# Altium PCB 2-quilter-output.pcbdoc (part 9 of 17) (continued)
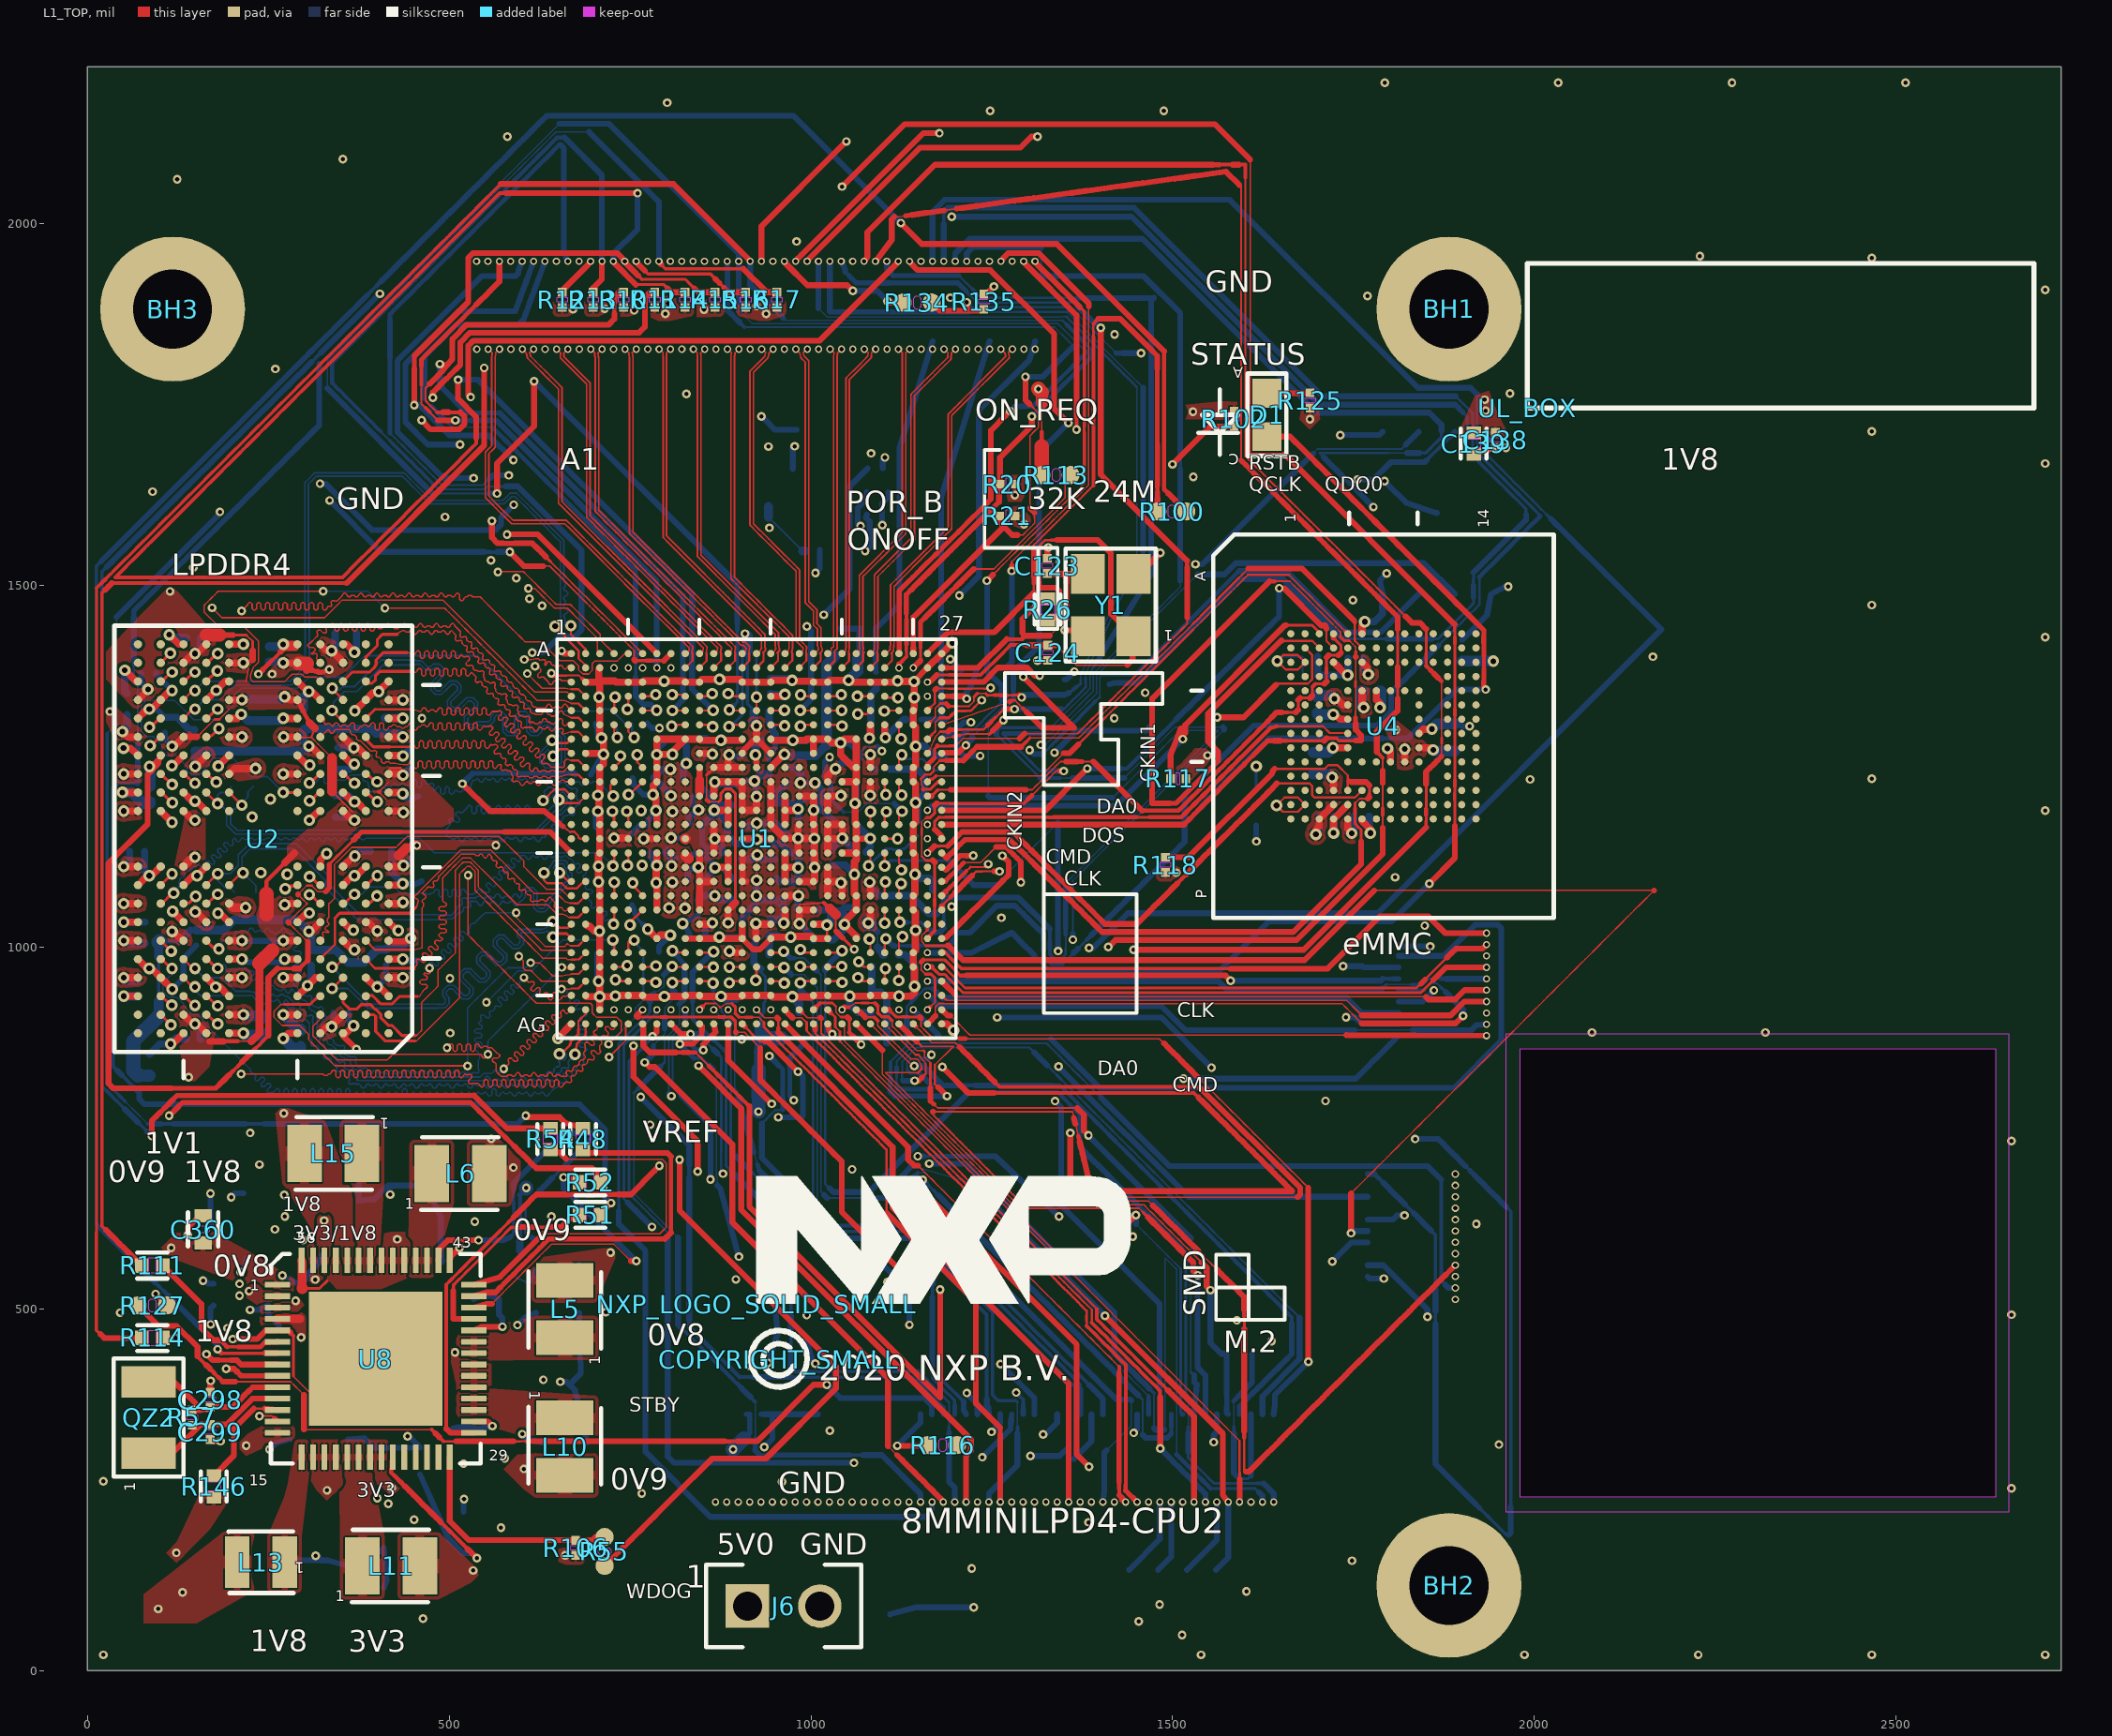
[diagram p0: L1_TOP view]
## Nets (pads, with @x,y where several pads share a name; then routed paths per layer and width w, separated by ;. In a path a pad name is that pad's centre, name@x,y a point inside that pad or via, vN(x,y) a via of type N, cw(c..) or ccw(c..) an arc to the next point about the centre after c; other vN are vias at no path point) (continued)
  L8_BOT w10: v2@50.43,1034.76 C266.2@80,1034.76 ; v2(51.89,1382.9) 51.89,1353.66 C106.2@54.89,1350.66 ; C374.2@79.47,1132.26 79.47,1105.1 v2(85.85,1098.72) ; C105.2@86.19,852.36 100.13,866.3 v4(115.25,866.3) ; C375.2@107.2,1317.8 123.99,1317.8 141.2,1300.59 C108.2@148.58,1300.59 ; v4(304.47,946.93) 309.5,951.96 C371.2@309.5,975.12 ; C111.2@343,1209.41 360.98,1209.41 369.41,1200.98 v4(369.5,1200.98) ; C118.2@346.54,1245.92 362.09,1245.92 v2(369.24,1253.07) ; v2(369.25,1407.58) 371.99,1410.32 C112.2@371.99,1434.05 ; C117.2@420.65,1132.9 420.65,1103.15 v4(436.06,1087.74) ; v2(436.35,1264.32) 447.69,1275.66 ; v2(787.09,1266.17) 787.09,1273.61 C94.2@798.38,1284.9 ; C8.2@845.89,1288.41 855.38,1288.41 857.75,1286.04 v2(875.81,1286.04) ; C74.2@852.92,1171.19 866.44,1184.71 v2(866.44,1189.27) ; v2(876.04,931.99) 876.29,931.99 880.52,927.76 C21.2@896.42,927.76 ; C20.2@890.07,1196.26 873.43,1196.26 v2(866.44,1189.27) ; C99.2@942.3,989.41 942.3,1016.01 C36.2@943.44,1017.15 953.2,1017.15 956.47,1013.88 v2(972.2,1013.88) ; C100.2@942.4,1325.9 942.4,1310.62 946.21,1306.81 946.21,1304.24 946.76,1303.69 946.76,1298.86 950.8,1294.82 C1.2@950.8,1286.45 974.39,1286.45 v2(974.96,1285.88) 975.1,1285.74 C244.2@993.88,1285.74 ; C268.2@944.2,1371.59 971.27,1371.59 v2(974.11,1368.75) ; C33.2@953.1,1094.7 957.02,1090.78 C15.2@981.85,1090.78 982.4,1091.33 v2(982.4,1109.84) 982.69,1110.13 C255.2@982.69,1130.38 971.19,1130.38 958.92,1142.65 C253.2@950.36,1142.65 943.92,1149.09 v2(925.04,1149.09) 910.01,1149.09 C35.2@903.85,1142.93 896.36,1142.93 884.24,1155.05 C16.2@884.24,1168.18 884.24,1171.47 v2(866.44,1189.27) ; C256.2@967.36,1227.33 952.67,1212.64 C247.2@952.67,1199.1 974.23,1199.1 v2(982.18,1191.15) ; C254.2@982.67,1170.05 982.67,1190.66 v2(982.18,1191.15) ; C235.2@993.63,1209.18 982.18,1197.73 v2(982.18,1191.15) ; C248.2@1002.74,1051.61 1025.76,1051.61 C23.2@1027.15,1050.22 ; v2(1022.22,1030.58) 1027.15,1035.51 C23.2@1027.15,1050.22 ; C6.2@1024.8,1010.06 1031.57,1010.06 1046.43,1024.92 v2(1046.43,1031.56) 1046.43,1045.73 1041.94,1050.22 ; C101.2@1028.89,1113.39 1047.53,1113.39 v2(1060.27,1100.65) ; v2(1041.12,1282.52) 1053.73,1282.52 C30.2@1060.23,1276.02 ; v2(1053.8,932.27) 1053.8,920.99 1065.05,909.74 C2.2@1083.09,909.74 ; C3.2@1060.77,1054.73 1046.79,1054.73 1046.62,1054.9 1041.94,1050.22 ; v2(1061.04,1198.96) 1062.68,1200.6 C241.2@1062.68,1228.77 ; C234.1@1062.19,1173.08 1062.19,1170.19 v2(1082.08,1150.3) 1082.08,1137.48 C104.2@1076.05,1131.45 ; C391.2@1109.45,1246.02 1146.86,1246.02 1156.37,1236.51 C9.2@1156.37,1229.43 1156.37,1211.47 v2(1144.67,1199.77) 1147.38,1197.06 C245.2@1147.38,1174.92 ; C392.2@1121.2,989.7 1130.09,989.7 1143.26,976.53 v2(1143.26,946.08) ; v2(1143.89,1100.69) 1145.51,1100.69 1151.02,1095.18 1163.59,1095.18 1168.28,1090.49 C17.2@1168.28,1079.31 ; v2(1144.93,1277.76) 1157.8,1277.76 1170.15,1265.41 R103.2@1184.52,1265.41 ; C136.2@1700.4,1401.66 C137.2@1700.4,1375.66 1700.73,1375.99 v2(1741.72,1375.99) 1742.19,1376.46 C131.2@1742.19,1399.15 ; v2(1722.28,1157.86) 1723.1,1158.68 1723.1,1180.59 C133.2@1723.51,1181 ; v2(1765.41,1449.79) 1778.79,1449.79 1790,1461 U5.4@1790,1487.8 ; C132.2@1771.51,1181 1771.51,1159.34 v2(1773.14,1157.71) ; C23.2@1027.15,1050.22 1041.94,1050.22
  L8_BOT w12: v2(50.41,932.38) C381.2@68.89,932.39 ; v4(113.36,1431.9) 117.99,1427.27 C114.2@136.51,1427.27 ; v4(115.25,866.3) 122.58,873.63 C380.2@135.68,873.63 ; v2(212.92,1321.9) 221.68,1313.14 C110.2@242.89,1313.14 267.79,1313.14 v2(270.89,1316.24) ; C378.2@251.62,1415.48 267.77,1415.48 v2(270.89,1418.6) ; C109.2@298.93,1329.75 298.93,1346.14 v4(306.19,1353.4) ; C384.2@411.64,1316.74 435.74,1316.74 v2(436.24,1316.24) ; v4(436.06,1212.06) v4@439.71,1208.41 ; v2(974.35,931.51) 983.76,922.1 C400.2@983.76,911.1
  L8_BOT w15: v2(48.68,1213.88) 61.91,1213.88 77.39,1198.4 86.89,1198.4 R4.1@86.89,1201.39 ; v2(1052.24,1368.92) 1064.76,1381.44 C405.2@1064.76,1399.68 ; C130.2@1694.3,1268.95 1714.55,1268.95 v2(1721.33,1275.73) ; C128.2@1699.59,1324.38 1699.59,1321.39 1721.56,1321.39 v2(1721.96,1321.79) ; C129.2@1784.67,1354.01 1787.66,1354.01 1787.66,1332.34 v2(1786.48,1331.16) ; v2(1858.22,1301.57) 1865.35,1308.7 C127.2@1890,1308.7
  other v1: 22.13,22.13 1539.3,22.13 1986.24,22.13 2226.12,22.13 2465.99,22.13 2705.87,22.13 464,72.16 1747.63,152.2 1383.71,205.2 2659.11,252.28 960.2,261.35 22.13,262.01 1950.81,312.71 994.21,491.61 2659.11,492.15 45.37,494.89 716.61,495.97 1444.89,600.07 1919.65,617.55 237.84,699.6 2659.11,732.03 777.85,754.59 1711.12,787.58 501.42,881.37 2079.2,882.13 2319.08,882.13 1807.38,1096.66 2705.87,1188.73 1993.84,1231.9 2465.99,1232.96 2163.46,1401.52 2705.87,1428.6 2465.99,1472.83 1749.05,1479.69 494.59,1594.61 90.38,1629.55 1528.54,1649.82 2705.87,1668.48 1083.09,1682.6 2465.99,1712.71 828.08,1764.46 1966.13,1765.15 260,1799.16 1419.69,1846.87 1192.73,1897.69 1769.09,1899.95 2705.87,1908.35 2465.99,1952.58 2228.53,1954.99 980.09,1975.33 124.29,2061.11 353.38,2089.1 580.45,2120.03 1247.82,2155.66 1487.7,2155.65 801.65,2167.05 1793.01,2194.87 2032.88,2194.87 2272.76,2194.87 2512.63,2194.87
  other v3: 931.06,233.27 946.8,233.27 962.55,233.27 978.3,233.27 994.05,233.27 1009.8,233.27 1230.27,233.27 1324.76,233.27 1419.24,233.27 1513.73,233.27 1608.22,233.27 1890.63,544.88 1890.63,623.62 1933.49,909.2 1933.49,987.94 538.31,1826.55 585.56,1826.55 632.8,1826.55 680.05,1826.55 727.29,1826.55 774.53,1826.55 821.78,1826.55 869.02,1826.55 916.27,1826.55 963.51,1826.55 1010.75,1826.55 1058,1826.55 1105.24,1826.55 1152.49,1826.55 1215.48,1826.55 1294.22,1826.55 585.31,1947.75 679.8,1947.75 774.28,1947.75 868.77,1947.75 1057.75,1947.75 1152.24,1947.75 1246.72,1947.75
GPIO1_IO01: J5.64 U1.AF14 | length 869.2
  L1_TOP w2.2: 929.59,909 934.3,904.32 935.96,902.66 944.6,902.66 953.24,902.66
  L1_TOP w3.37: v3(924.89,913.68) 929.59,909 ; 954.88,888.52 954.88,894.77 954.88,901.01
  L1_TOP w5.71: 954.88,882.28 954.88,888.52
  L1_TOP w8.05: 953.24,902.66 954.86,901.04 ; 954.88,882.28 1113.12,724.05 1113.12,640.54 1113.12,639.91 1356.26,396.77 1356.26,238.31 v3@1356.26,233.27
  other v3: 1356.25,233.27
GPIO1_IO05: J5.62 U1.AF12 | length 888.9
  L3_INNER1 w2.2: 979.21,799.32 984.78,793.75 990.35,788.18
  L3_INNER1 w2.79: 990.35,788.18 990.35,779.17 990.35,770.16 990.35,761.14 990.35,752.13 990.35,743.12 990.35,734.1 990.35,725.09 990.35,716.08 990.35,707.06 996.69,700.72 1003.03,694.38 1009.37,688.04 1015.71,681.7 1022.05,675.36 1028.39,669.02 1034.73,662.68 1041.07,656.34 1047.41,650 1053.75,643.66 1060.09,637.32 1066.43,630.98 1072.77,624.64 1079.11,618.3 1085.45,611.96 1091.79,605.62 1098.13,599.28 1104.47,592.94 1110.81,586.6 1117.15,580.26 1123.49,573.92 1129.83,567.58 1136.17,561.24 1142.51,554.9 1148.85,548.56 1155.19,542.22 1161.53,535.88 1167.87,529.54
  L3_INNER1 w4.54: 1167.87,520.53 1167.87,529.54
  L3_INNER1 w5.13: 973.07,805.46 979.21,799.32
  L3_INNER1 w6.88: 1167.87,520.53 1173.9,514.5 1179.94,508.46 1185.97,502.43 1192.01,496.39 1198.04,490.36 1204.08,484.32 1210.11,478.29 1216.15,472.25 1222.18,466.22 1228.22,460.18 1234.25,454.15 1240.29,448.11 1246.32,442.08 1252.36,436.04 1259.78,436.04 1267.21,436.04
  L3_INNER1 w7.46: 1267.21,436.04 1273.32,429.93 ; 1309.97,393.28 1316.08,387.18 1322.19,381.07 1328.3,374.96 1334.4,368.85 1340.51,362.74 1340.51,353.85
  L3_INNER1 w8.05: v3(885.52,913.68) 885.52,873.7 923.05,836.17 942.36,836.17 948.5,830.03 954.65,823.89 960.79,817.74 966.93,811.6 973.07,805.46 ; 1273.32,429.93 1279.43,423.83 1285.54,417.72 1291.64,411.61 1297.75,405.5 1303.86,399.39 1309.97,393.28 ; v3(1340.5,233.27) 1340.51,238.31 1340.51,247.2 1340.51,256.08 1340.51,264.97 1340.51,273.86 1340.51,282.75 1340.51,291.64 1340.51,300.52 1340.51,309.41 1340.51,318.3 1340.51,327.19 1340.51,336.08 1340.51,344.97 1340.51,353.85
GPIO1_IO06: J5.58 U1.AG11 | length 1014
  L1_TOP w7.46: 851.36,865.62 856.98,871.24 862.6,876.86
  L1_TOP w8.05: v1(851.36,857.76) 851.36,865.61 ; 862.6,876.86 868.22,882.48 U1.AG11@865.83,893.99
  L3_INNER1 w3.96: v1(861.25,678.99) 861.25,684.58 865.61,688.95 869.98,693.31 874.34,697.67 880.14,697.67 886.8,697.67
  L3_INNER1 w7.46: 1141.06,490.67 1147.31,484.43 1153.55,478.18 1159.8,471.94 1166.04,465.69 1172.28,459.45 1178.53,453.21 1184.77,446.96 1191.02,440.72 1197.26,434.47 1203.51,428.23 1209.75,421.98 1216,415.74 1222.24,409.49 1228.49,403.25 1234.73,397 1240.97,390.76 1247.22,384.52 1253.46,378.27 1259.71,372.03 1265.95,365.78 1272.2,359.54 1278.44,353.29 1284.69,347.05 1290.93,340.8
  L3_INNER1 w8.05: 886.8,697.67 893.46,697.67 1100.46,490.67 1141.06,490.67 ; 1290.93,340.8 1290.93,290.37 1309.01,272.29 v3(1309.01,233.27)
  L8_BOT w2.2: 808.95,870.11 812.98,874.15 817.02,878.18
  L8_BOT w2.79: 808.95,870.11 808.95,862.19 808.95,854.26 808.95,846.33 808.95,838.4 808.95,830.48 808.95,822.55 808.95,814.62 808.95,806.69 814.76,800.88 820.57,795.07 ; 817.02,878.18 821.17,878.18 826.28,873.07 831.38,867.97
  L8_BOT w6.88: 831.38,867.97 836.49,862.87 841.59,857.76 v1@846.47,857.76
  L8_BOT w8.05: 820.57,795.07 826.38,789.26 832.19,783.45 838,777.64 843.81,771.83 849.62,766.02 855.43,760.21 861.24,754.4 v1(861.25,678.99) ; v1@846.47,857.76 v1(851.36,857.76)
GPIO1_IO07: J5.56 U1.AF11 | length 890.4
  L3_INNER1 w7.46: v1(1136.13,478.11) 1138.8,478.11 1144.95,471.96 1151.09,465.82 1157.24,459.67 1163.38,453.52 1169.53,447.38 1175.68,441.23 1181.82,435.09 1187.97,428.94 1194.11,422.8 1200.26,416.65 1206.4,410.5 1212.55,404.36 1218.7,398.21 1224.84,392.07 1230.99,385.92 1237.13,379.78 1243.28,373.63 1249.42,367.48 1255.57,361.34 1261.72,355.19 1267.86,349.05 1274.01,342.9 1280.15,336.76 1280.15,328.21 1280.15,319.67 1280.15,311.13 1280.15,302.58 1280.15,294.04 1280.15,285.5
  L3_INNER1 w8.05: 1280.15,285.5 1293.27,272.38 v3(1293.26,233.27)
  L8_BOT w2.2: v3(865.83,913.68) 871.71,907.84 877.58,901.99 ; 883.46,896.14 889.34,890.3 889.42,890.22 889.42,881.61 889.42,873.01 889.42,864.41 889.42,855.81 889.42,847.2 889.42,838.6 889.42,830 889.42,821.39 889.42,812.79 889.42,804.19
  L8_BOT w2.79: 877.58,901.99 883.46,896.14
  L8_BOT w3.37: 889.42,795.59 889.42,804.19
  L8_BOT w3.96: 889.42,795.59 889.42,786.98 889.42,778.38 889.42,769.78 889.42,761.17 889.42,752.57 889.42,743.97 889.42,735.37 889.42,726.76 889.42,718.16 895.6,711.98 ; 920.33,687.25 926.51,681.07 932.69,674.89 938.87,668.71 945.05,662.53 951.24,656.35 957.42,650.16 963.6,643.98 969.78,637.8 975.96,631.62 982.14,625.44 988.32,619.26 994.51,613.08 1000.69,606.89 1006.87,600.71 1013.05,594.53 1019.23,588.35
  L8_BOT w4.54: 914.15,693.43 920.33,687.25
  L8_BOT w5.13: 1109.28,551.7 1115.01,545.97 1120.29,540.69 ; 1130.85,530.13 1136.13,524.85 1136.13,516.94
  L8_BOT w5.71: 1019.23,588.35 1025.41,582.17
  L8_BOT w8.05: 895.6,711.98 901.78,705.8 907.96,699.62 914.15,693.43 ; 1025.41,582.17 1031.59,575.99 1037.78,569.8 1043.96,563.62 1050.14,557.44 1103.55,557.43 1109.28,551.7 ; 1120.29,540.69 1125.57,535.41 1130.85,530.13 ; v1(1136.13,478.11) 1136.13,485.29 1136.13,493.21 1136.13,501.12 1136.13,509.03 1136.13,516.94
GPIO1_IO08: J5.54 U1.AG10 | length 919.5
  L1_TOP w6.88: 837.33,866.42 843.33,872.41 849.33,878.41
  L1_TOP w7.46: 849.33,878.41 849.33,884.61
  L1_TOP w8.05: v1(818.89,866.41) 837.33,866.42 ; U1.AG10@846.14,894 849.33,890.81 849.33,884.61
  L3_INNER1 w8.05: v1(900.51,572.42) 912.57,572.42 977.57,572.42 1277.52,272.47 v3(1277.51,233.27)
  L8_BOT w2: 869.34,826.52 869.34,817.59 869.34,808.66 869.34,799.73 869.34,790.81 869.34,781.88 869.34,772.95 869.34,764.02 869.34,755.1 869.34,746.17 869.34,737.24 869.34,728.31 869.34,719.39 869.34,710.46 869.34,701.53 869.34,692.6 869.34,683.67 870.67,682.35 870.67,676.43 870.67,670.67
  L8_BOT w3.96: 848.83,847.03 853.96,841.9 859.09,836.77 ; 864.21,831.65 869.34,826.52
  L8_BOT w4.54: 838.27,847.03 843.55,847.03 848.83,847.03
  L8_BOT w6.88: v1(818.89,866.41) 823.73,861.57 828.58,856.72 833.42,851.88 838.27,847.03
  L8_BOT w8.05: 859.09,836.77 864.21,831.65 ; 870.67,670.67 874.68,666.66 v1(900.51,572.42)
GPIO1_IO09: J5.52 U1.AF10 | length 910.8
  L1_TOP w2: 869.01,922.34 874.69,916.66 ; 878.72,919.42 882.71,922.19 890.91,922.19
  L1_TOP w2.2: 861.91,922.34 869.01,922.34 ; 874.73,916.66 878.72,919.42 ; 918.87,903.26 927.88,903.26 931.44,899.69 935.01,896.12
  L1_TOP w2.79: 854.82,922.34 861.91,922.34
  L1_TOP w3.37: 900.85,903.26 909.86,903.26 ; 941.28,883.53 947.56,877.25 953.83,870.98 960.1,864.71 966.38,858.44 972.65,852.16 978.92,845.89 985.2,839.62 991.47,833.34 997.74,827.07 1004.02,820.8 1010.29,814.52 1016.56,808.25 1022.84,801.98 1029.11,795.7 1035.38,789.43 1041.66,783.16 1047.93,776.88 1054.2,770.61 1060.47,764.34 1066.75,758.06 1073.02,751.79 1079.29,745.52 1085.57,739.25 1091.84,732.97 1098.11,726.7 1104.39,720.43 1104.39,711.68 1104.39,702.93 1104.39,694.19 1104.39,685.44 1104.39,676.69 1104.39,667.95 1104.39,659.2 1104.39,650.45 1104.39,641.71 1104.39,632.96
  L1_TOP w3.96: 849.7,917.22 854.82,922.34 ; 895.68,908.43 895.68,917.42 ; 935.01,896.12 935.01,889.8 941.28,883.53
  L1_TOP w4.54: 890.91,922.19 895.68,917.42 ; 895.68,908.43 900.85,903.26 ; 909.86,903.26 918.87,903.26
  L1_TOP w6.88: 1261.77,327.17 1261.77,335.71
  L1_TOP w8.05: U1.AF10@846.14,913.68 849.7,917.22 ; 1104.39,632.96 1228.15,509.19 1228.15,369.32 1261.77,335.71 ; v3(1261.76,233.27) 1261.77,241.81 1261.77,250.35 1261.77,258.89 1261.77,267.42 1261.77,275.96 1261.77,284.49 1261.77,293.03 1261.77,301.57 1261.77,310.1 1261.77,318.64 1261.77,327.17
  other v3: 846.15,913.68
GPIO1_IO10: J5.50 U1.AD10 | length 1006.3
  L1_TOP w3: U1.AD10@846.15,953.05 862.35,953.05 v2(864.82,950.58)
  L8_BOT w2: 864.82,942.52 864.82,934.52 864.82,926.52 870.68,920.66 876.54,914.81 ; 876.54,910.81 882.59,904.76 888.64,898.71 894.69,892.66
  L8_BOT w2.2: 894.7,892.65 894.7,884.17 894.7,875.69 894.7,867.2 894.7,858.72 894.7,850.24 894.7,841.76 894.7,833.28 894.7,824.8 894.7,816.32 894.7,807.84 897.13,799.53 ; 921.47,716.48 923.91,708.18 926.34,699.87 ; 1285.4,336.55 1285.4,345.27 1285.4,353.99 1285.4,362.72 1285.4,371.44
  L8_BOT w2.79: 876.54,910.81 876.54,914.81
  L8_BOT w4.54: 1022.51,597.83 1031.5,597.83 ; 1139.43,597.83 1148.42,597.83 1154.46,591.8 1160.49,585.76 1166.53,579.73 1172.57,573.69 1178.6,567.66 1184.64,561.62 1190.67,555.59 1196.71,549.55 1202.74,543.52 1208.78,537.48 1214.81,531.45 1220.85,525.41 1226.88,519.38 1232.92,513.34 1238.95,507.31 1244.99,501.27 1251.02,495.24 1251.02,486.53 1251.02,477.82 1251.02,469.12 1251.02,460.41 1251.02,451.71 1251.02,443 1251.02,434.3 1251.02,425.59 1251.02,416.89 1251.02,408.18 1251.02,399.48 1251.02,390.77 1251.02,382.06 1251.02,381.47 1255.08,377.41 1259.14,373.35 1267.26,373.35 1275.37,373.35 1283.48,373.35 1285.4,371.44
  L8_BOT w5.13: 1031.5,597.83 1040.49,597.83 ; 1285.4,327.82 1285.4,336.55
  L8_BOT w5.71: 897.13,799.53 899.56,791.23
  L8_BOT w6.29: 926.34,699.87 928.78,691.57
  L8_BOT w6.88: 919.04,724.79 921.47,716.48
  L8_BOT w8.05: 864.82,942.52 v2(864.82,950.58) ; 899.56,791.23 902,782.92 904.43,774.62 906.87,766.31 909.3,758.01 911.74,749.7 914.17,741.4 916.61,733.09 919.04,724.79 ; 928.78,691.57 1022.5,597.84 ; 1040.49,597.83 1049.49,597.83 1058.48,597.83 1067.48,597.83 1076.47,597.83 1085.46,597.83 1094.46,597.83 1103.45,597.83 1112.45,597.83 1121.44,597.83 1130.44,597.83 1139.43,597.83 ; v3(1246.02,233.27) 1246.02,244.83 1285.4,284.2 1285.4,292.93 1285.4,301.65 1285.4,310.37 1285.4,319.1 1285.4,327.82
GPIO1_IO11: J5.46 U1.AC10 | length 938.5
  L1_TOP w3: U1.AC10@846.15,972.74 864.88,972.74 v2(865.33,972.28)
  L1_TOP w8.05: v1(844.76,836.22) 851.06,829.92 903.91,777.08 903.91,637.15 1221.13,319.93 1221.13,304.05 1214.53,297.45 v3(1214.52,233.27)
  L3_INNER1 w3.96: 856.27,903.88 856.27,912.2 856.27,920.51
  L3_INNER1 w8.05: v1(844.76,836.22) 847.59,836.22 863.93,852.55 863.93,871.28 856.27,878.93 856.27,887.25 856.27,895.57 856.27,903.88 ; 856.27,920.51 850.21,926.57 850.21,957.14 v2(865.33,972.28)
GPIO1_IO12: J5.44 U1.AB10 | length 1041.9
  L1_TOP w3: U1.AB10@846.15,992.42 863.94,992.42 v2(865.5,993.98)
  L8_BOT w2.2: 1190.96,337.16 1190.96,345.62 1190.96,354.07 1190.96,362.53 1190.96,370.98
  L8_BOT w3.37: 882.74,706.7 882.74,715.42 882.74,724.13 882.74,732.85 882.74,741.56 882.74,750.28 882.74,758.99 882.74,767.7 882.74,776.42 882.74,785.13 882.74,793.85 882.74,802.56 882.74,811.28 882.74,819.99 882.74,828.71 882.74,837.42 882.74,846.14 882.74,854.85
  L8_BOT w3.96: 836.59,909.01 836.59,917.02 836.59,925.03 ; 882.74,706.7 882.74,697.99 888.71,692.01 ; 1160.61,401.33 1166.68,395.26 1172.75,389.19 1178.82,383.12 1184.89,377.05 1190.96,370.98
  L8_BOT w4.54: 972.4,438.94 972.4,447.43 972.4,455.92 972.4,464.4 ; 972.4,498.36 972.4,506.85 972.4,515.33 972.4,523.82 ; 979.11,413.47 981.21,413.47 990.02,413.47 998.82,413.47 1007.62,413.47 1016.43,413.47 1025.23,413.47 1034.03,413.47 1042.83,413.47 1051.64,413.47 1060.44,413.47 1069.24,413.47 1078.05,413.47 1086.85,413.47 1095.65,413.47 1104.46,413.47 1113.26,413.47 1122.06,413.47 1130.87,413.47 1139.67,413.47 1148.47,413.47 ; 1190.96,328.71 1190.96,337.16
  L8_BOT w5.13: 836.59,901 836.59,909.01 ; 848.12,889.47 853.89,883.7 859.66,877.93 ; 865.43,872.16 871.2,866.39 876.97,860.62 882.74,854.85 ; 888.71,692.01 894.69,686.03 ; 972.4,464.4 972.4,472.89 ; 975.76,416.82 979.11,413.47 ; 1154.54,407.4 1160.61,401.33
  L8_BOT w5.71: 836.59,901 842.36,895.23
  L8_BOT w6.29: 842.36,895.23 848.12,889.47 ; 972.4,489.87 972.4,498.36
  L8_BOT w6.88: 859.66,877.93 865.43,872.16
  L8_BOT w7.46: 836.59,925.03 836.59,933.04 836.59,941.05 ; 1148.47,413.47 1154.54,407.4
  L8_BOT w8.05: 836.59,941.05 836.59,949.06 836.59,957.07 836.59,965.08 863.88,992.38 v2(865.5,993.98) ; 894.69,686.03 900.67,680.05 906.65,674.08 912.62,668.1 918.6,662.12 924.58,656.15 930.55,650.17 936.53,644.19 942.51,638.21 948.49,632.24 954.46,626.26 960.44,620.28 966.42,614.3 972.4,608.33 972.4,523.85 ; 972.4,438.94 972.4,430.45 972.4,421.96 972.4,420.18 975.76,416.82 ; 972.4,472.89 972.4,481.38 972.4,489.87 ; 1190.96,328.71 1190.96,320.25 1190.96,311.8 1190.96,303.34 1190.96,294.89 1190.96,286.43 1190.96,277.98 1190.96,269.52 1190.96,261.07 1198.75,253.27 v3(1198.77,233.27)
GPIO1_IO13: J5.42 U1.AD9 | length 930.7
  L1_TOP w2: 1106.66,310.62 1112.77,304.51 1118.88,298.4
  L1_TOP w3: v2(808.5,951.18) 810.36,953.05 U1.AD9@826.47,953.05
  L1_TOP w7.46: 1118.88,298.4 1124.99,292.29
  L1_TOP w8.05: v1(770.54,840.83) 776.74,834.63 784.73,834.63 891.58,727.78 891.58,619.84 1106.66,404.76 1106.66,310.62 ; 1124.99,292.29 1131.1,286.18 1137.21,280.07 1143.32,273.96 1149.43,267.85 1155.54,261.74 1161.65,255.63 1167.76,249.52 1173.87,243.41 1179.98,237.3 v3(1183.02,233.27)
  L8_BOT w2: 798.09,916.62 801.3,919.82 805.68,924.21 810.07,928.59
  L8_BOT w2.2: 782.47,864.57 787.68,869.77 792.89,874.98 798.09,880.19 798.09,887.47 ; 798.09,909.33 798.09,916.62
  L8_BOT w3.37: 798.09,902.04 798.09,909.33
  L8_BOT w3.96: 810.07,928.59 812.11,930.64
  L8_BOT w6.29: 782.47,858.66 782.47,864.57
  L8_BOT w8.05: v1(770.54,840.83) 776.63,846.92 782.47,852.76 782.47,858.66 ; 798.09,887.47 798.09,894.76 798.09,902.04 ; v2(808.5,951.18) 808.51,941.6 812.11,938 812.11,930.64
GPIO1_IO14: J5.40 U1.AC9 | length 1186.6
  L1_TOP w3: v2(808.37,973.5) 809.13,972.74 U1.AC9@826.47,972.74
  L8_BOT w2: 784.01,937.88 789.61,939.72 793.98,944.09 796.99,944.49 796.99,953.3 796.99,962.11
  L8_BOT w3.37: 734.59,867.32 740.72,873.45 746.86,879.58 752.99,885.72 759.12,891.85 765.26,897.99 771.39,904.12 777.53,910.25
  L8_BOT w3.96: 734.59,644.05 734.59,652.98 734.59,661.91 734.59,670.84 734.59,679.77 734.59,688.7 734.59,697.63 734.59,706.56 734.59,715.49 734.59,724.42 734.59,733.36 734.59,742.29 734.59,751.22 734.59,760.15 734.59,769.08 734.59,778.01 734.59,786.94 734.59,795.87 734.59,804.8 734.59,813.73 734.59,822.66 734.59,831.59 734.59,840.52 734.59,849.45 734.59,858.38 734.59,867.32 ; 777.53,910.25 777.53,917.3 777.53,924.35
  L8_BOT w4.54: 734.59,635.12 734.59,644.05
  L8_BOT w5.71: 780.77,934.64 784.01,937.88
  L8_BOT w8.05: 734.59,635.12 734.59,626.19 734.59,617.26 771.4,580.44 771.4,302.62 861.34,212.69 1158.23,212.69 1167.28,221.75 v3(1167.28,233.27) ; 777.53,924.35 777.53,931.39 780.77,934.64 ; 796.99,962.11 802.68,967.8 v2(808.37,973.5)
GPIO1_IO15: J5.38 U1.AB9 | length 1078.8
  L1_TOP w3: v2(808.77,995.22) 811.57,992.42 U1.AB9@826.47,992.42
  L8_BOT w2: 755.53,798.7 755.53,790.02 755.53,781.34 755.53,772.66 755.53,763.98 755.53,755.3 755.53,746.62 755.53,737.94 755.53,729.26 755.53,720.58 755.53,711.9 755.53,703.22 755.53,694.54 755.53,685.86 755.53,677.18 755.53,668.5 755.53,659.82 761.55,653.8 767.56,647.78 773.58,641.76 779.6,635.74 785.62,629.72 791.64,623.7 797.66,617.69 803.68,611.67 809.69,605.65 815.71,599.63 816.49,598.85 ; 797.92,841.09 797.92,849.08 797.92,857.06 797.92,865.05 797.92,873.03 802.96,878.08 808.01,883.13 813.06,888.18 818.11,893.22 818.11,900.24 818.11,907.26 818.11,914.28 818.11,921.3
  L8_BOT w2.2: 923.1,322.81 923.1,331 923.1,339.19 923.1,347.38 923.1,355.56 923.1,363.75 923.1,371.94
  L8_BOT w3.96: 755.53,798.7 761.58,804.76 ; 791.86,835.04 797.92,841.09 ; 1054.34,298.24 1063.09,298.24
  L8_BOT w4.54: 923.1,314.62 923.1,322.81 ; 931.86,298.24 940.61,298.24
  L8_BOT w5.13: 821.89,473.15 828.07,466.98 834.4,460.64 840.74,454.31 847.07,447.97 853.41,441.63 859.75,435.3 866.08,428.96 ; 891.43,403.62 897.76,397.28 ; 916.77,378.28 923.1,371.94 ; 1063.09,298.24 1071.84,298.24
  L8_BOT w5.71: 866.08,428.96 872.42,422.63 878.75,416.29 885.09,409.95 891.43,403.62 ; 929.29,298.24 931.86,298.24
  L8_BOT w6.29: 897.76,397.28 904.1,390.95
  L8_BOT w6.88: 761.58,804.76 767.64,810.82 ; 814.35,988.6 819.93,981.98 825.52,975.36 ; 923.1,306.43 923.1,314.62 ; 940.61,298.24 949.36,298.24 ; 1045.59,298.24 1054.34,298.24
  L8_BOT w7.46: 818.11,921.3 822.84,926.03 ; 923.1,304.43 929.29,298.24 ; 949.36,298.24 958.1,298.24 966.85,298.24 975.6,298.24 984.35,298.24 993.1,298.24 1001.85,298.24 1010.6,298.24 1019.35,298.24 1028.09,298.24 1036.84,298.24 1045.59,298.24
  L8_BOT w8.05: 767.64,810.82 773.69,816.87 779.75,822.93 785.81,828.98 791.86,835.04 ; v2(808.77,995.22) 814.35,988.6 ; 816.49,598.85 816.49,478.56 821.89,473.15 ; 822.84,926.03 825.52,928.72 825.52,932.8 825.52,975.36 ; 904.1,390.95 910.43,384.61 916.77,378.28 ; 923.1,304.43 923.1,306.43 ; 1071.84,298.24 1080.59,298.24 1089.34,298.24 1098.08,298.24 1151.52,244.8 v3(1151.53,233.27)
I2C1_SCL: R10.2 R48.1 U1.E9 | length 3075.6
  L1_TOP w2.79: 473.22,1778.45 467.55,1772.77 467.55,1763.98 467.55,1755.2 472.87,1749.88 478.18,1744.56 483.5,1739.24
  L1_TOP w3: v2(808.62,1327.06) U1.E9@826.47,1327.06
  L1_TOP w5.13: 483.5,1739.24 491.5,1739.24 ; 499.5,1739.24 507.5,1739.24 515.5,1739.24
  L1_TOP w5.71: 728.54,1875.68 728.54,1883.38 728.54,1891.08
  L1_TOP w8.05: v1(462.01,1728.23) 474.67,1715.57 514.04,1715.57 521.4,1722.93 521.4,1733.34 515.5,1739.24 ; 473.22,1778.45 478.89,1784.12 484.56,1789.79 490.24,1795.46 495.03,1802.2 ; v1(487.35,1805.82) 491.41,1805.82 495.03,1802.2 ; 491.5,1739.24 499.5,1739.24 ; v1(606.15,767.13) 607.94,765.34 652.72,765.34 661.12,756.94 R48.1@685,749.76 ; 728.54,1867.97 720.84,1860.27 524.33,1860.27 504.57,1840.52 504.57,1812.6 495.03,1802.2 ; 728.54,1867.98 728.54,1875.68 ; 728.54,1891.08 728.54,1898.78 734.9,1905.14 R10.2@741.28,1905.14
  L3_INNER1 w5.71: 335.59,1601.81 341.72,1607.94 348.05,1614.27
  L3_INNER1 w8.05: v1(183.38,1601.6) 183.58,1601.81 335.59,1601.81 ; 348.05,1614.27 354.38,1620.6 360.71,1626.93 367.04,1633.26 373.37,1639.59 379.71,1645.92 386.04,1652.26 392.37,1658.59 398.7,1664.92 405.03,1671.25 411.36,1677.58 417.69,1683.91 424.02,1690.24 430.35,1696.57 436.68,1702.9 443.01,1709.23 449.35,1715.56 455.68,1721.89 v1(462.01,1728.23)
  L8_BOT w2: 27.67,1295.52 31.95,1299.8 36.22,1304.07 40.5,1308.35 ; 40.49,1308.99 40.49,1317.45 40.49,1326.13 40.49,1334.81 40.49,1343.49 40.49,1352.17 40.49,1360.85 40.49,1369.53 40.49,1378.21 40.49,1386.89 40.49,1395.57 40.49,1404.25 40.49,1412.93 40.49,1421.61 40.49,1430.29 40.49,1438.97 40.49,1447.65 40.49,1456.33 ; 51.96,787.37 58.17,781.16 64.39,774.94 70.74,768.59 77.1,762.23 83.46,755.87
  L8_BOT w4.54: 27.67,1295.52 27.67,1286.56 27.67,1277.6 27.67,1268.64 27.67,1259.68 27.67,1250.72 27.67,1241.76 27.67,1232.8 27.67,1223.84 27.67,1214.88 27.67,1205.92 27.67,1196.96 27.67,1188 27.67,1179.04 27.67,1170.08 27.67,1161.12 27.67,1152.16 27.67,1143.2 27.67,1134.24 27.67,1125.28 27.67,1116.32 27.67,1107.35 27.67,1098.39 27.67,1089.43 27.67,1080.47 27.67,1071.51 27.67,1062.55 27.67,1053.59 27.67,1044.63 27.67,1035.67 27.67,1026.71 27.67,1017.75 27.67,1008.79 27.67,999.83 27.67,990.87 27.67,981.91 27.67,972.95 27.67,963.99 27.67,955.03 27.67,946.07 27.67,937.11 27.67,928.15 27.67,919.19 27.67,910.23 27.67,901.27 27.67,892.31 27.67,883.35 27.67,874.39 27.67,865.43 27.67,856.47 27.67,847.51 27.67,838.54 27.67,829.58 27.67,820.62 27.67,811.66 33.74,805.59 39.81,799.52 45.88,793.45 51.96,787.38
  L8_BOT w5.13: 40.5,1308.35 40.5,1308.99 ; 83.46,755.87 92.43,755.87 ; 110.37,755.87 119.35,755.87 ; 218.04,755.87 227.02,755.87 235.99,755.87 244.96,755.87
  L8_BOT w5.71: 101.4,755.87 110.37,755.87
  L8_BOT w6.29: 525.23,1738.33 532.74,1738.33 540.25,1738.33 547.77,1738.33 555.28,1738.33 562.79,1738.33 570.31,1738.33
  L8_BOT w8.05: 40.49,1456.33 183.38,1599.21 v1(183.38,1601.6) ; 92.43,755.87 101.4,755.87 ; 119.35,755.87 128.32,755.87 137.29,755.87 146.26,755.87 155.24,755.87 164.21,755.87 173.18,755.87 182.15,755.87 191.13,755.87 200.1,755.87 209.07,755.87 218.04,755.87 ; 244.96,755.87 253.93,755.87 262.91,755.87 271.88,755.87 280.85,755.87 289.82,755.87 298.8,755.87 307.77,755.87 316.74,755.87 325.71,755.87 334.69,755.87 343.66,755.87 352.63,755.87 361.61,755.87 370.58,755.87 379.55,755.87 388.52,755.87 397.5,755.87 406.47,755.87 415.44,755.87 424.41,755.87 433.39,755.87 442.36,755.87 451.33,755.87 460.3,755.87 469.28,755.87 478.25,755.87 487.22,755.87 496.19,755.87 505.17,755.87 514.14,755.87 523.11,755.87 532.08,755.87 541.06,755.87 550.03,755.87 559,755.87 567.97,755.87 576.95,755.87 585.92,755.87 594.89,755.87 v1@606.15,767.13 ; v1(487.35,1805.82) 487.35,1776.2 525.22,1738.34 ; 570.31,1738.33 823.02,1485.62 823.02,1341.46 814.31,1332.76 v2(808.62,1327.06)